# Altium PCB Archimajor.PcbDoc (part 10 of 13)
Units mil, origin at the board's own origin, x right, y up, seen from the top; angles counter-clockwise.
Board outline 7480.32 x 5511.81 mil, 6 copper layers (Top Layer, Top GND, Power Plane, Mid1, Bot GND, Bottom Layer), stack 69.913 mil thick; 1038 components, 682 nets, 3229 pads, 2870 vias.
Unrouted connection lines stored in the file: 97.
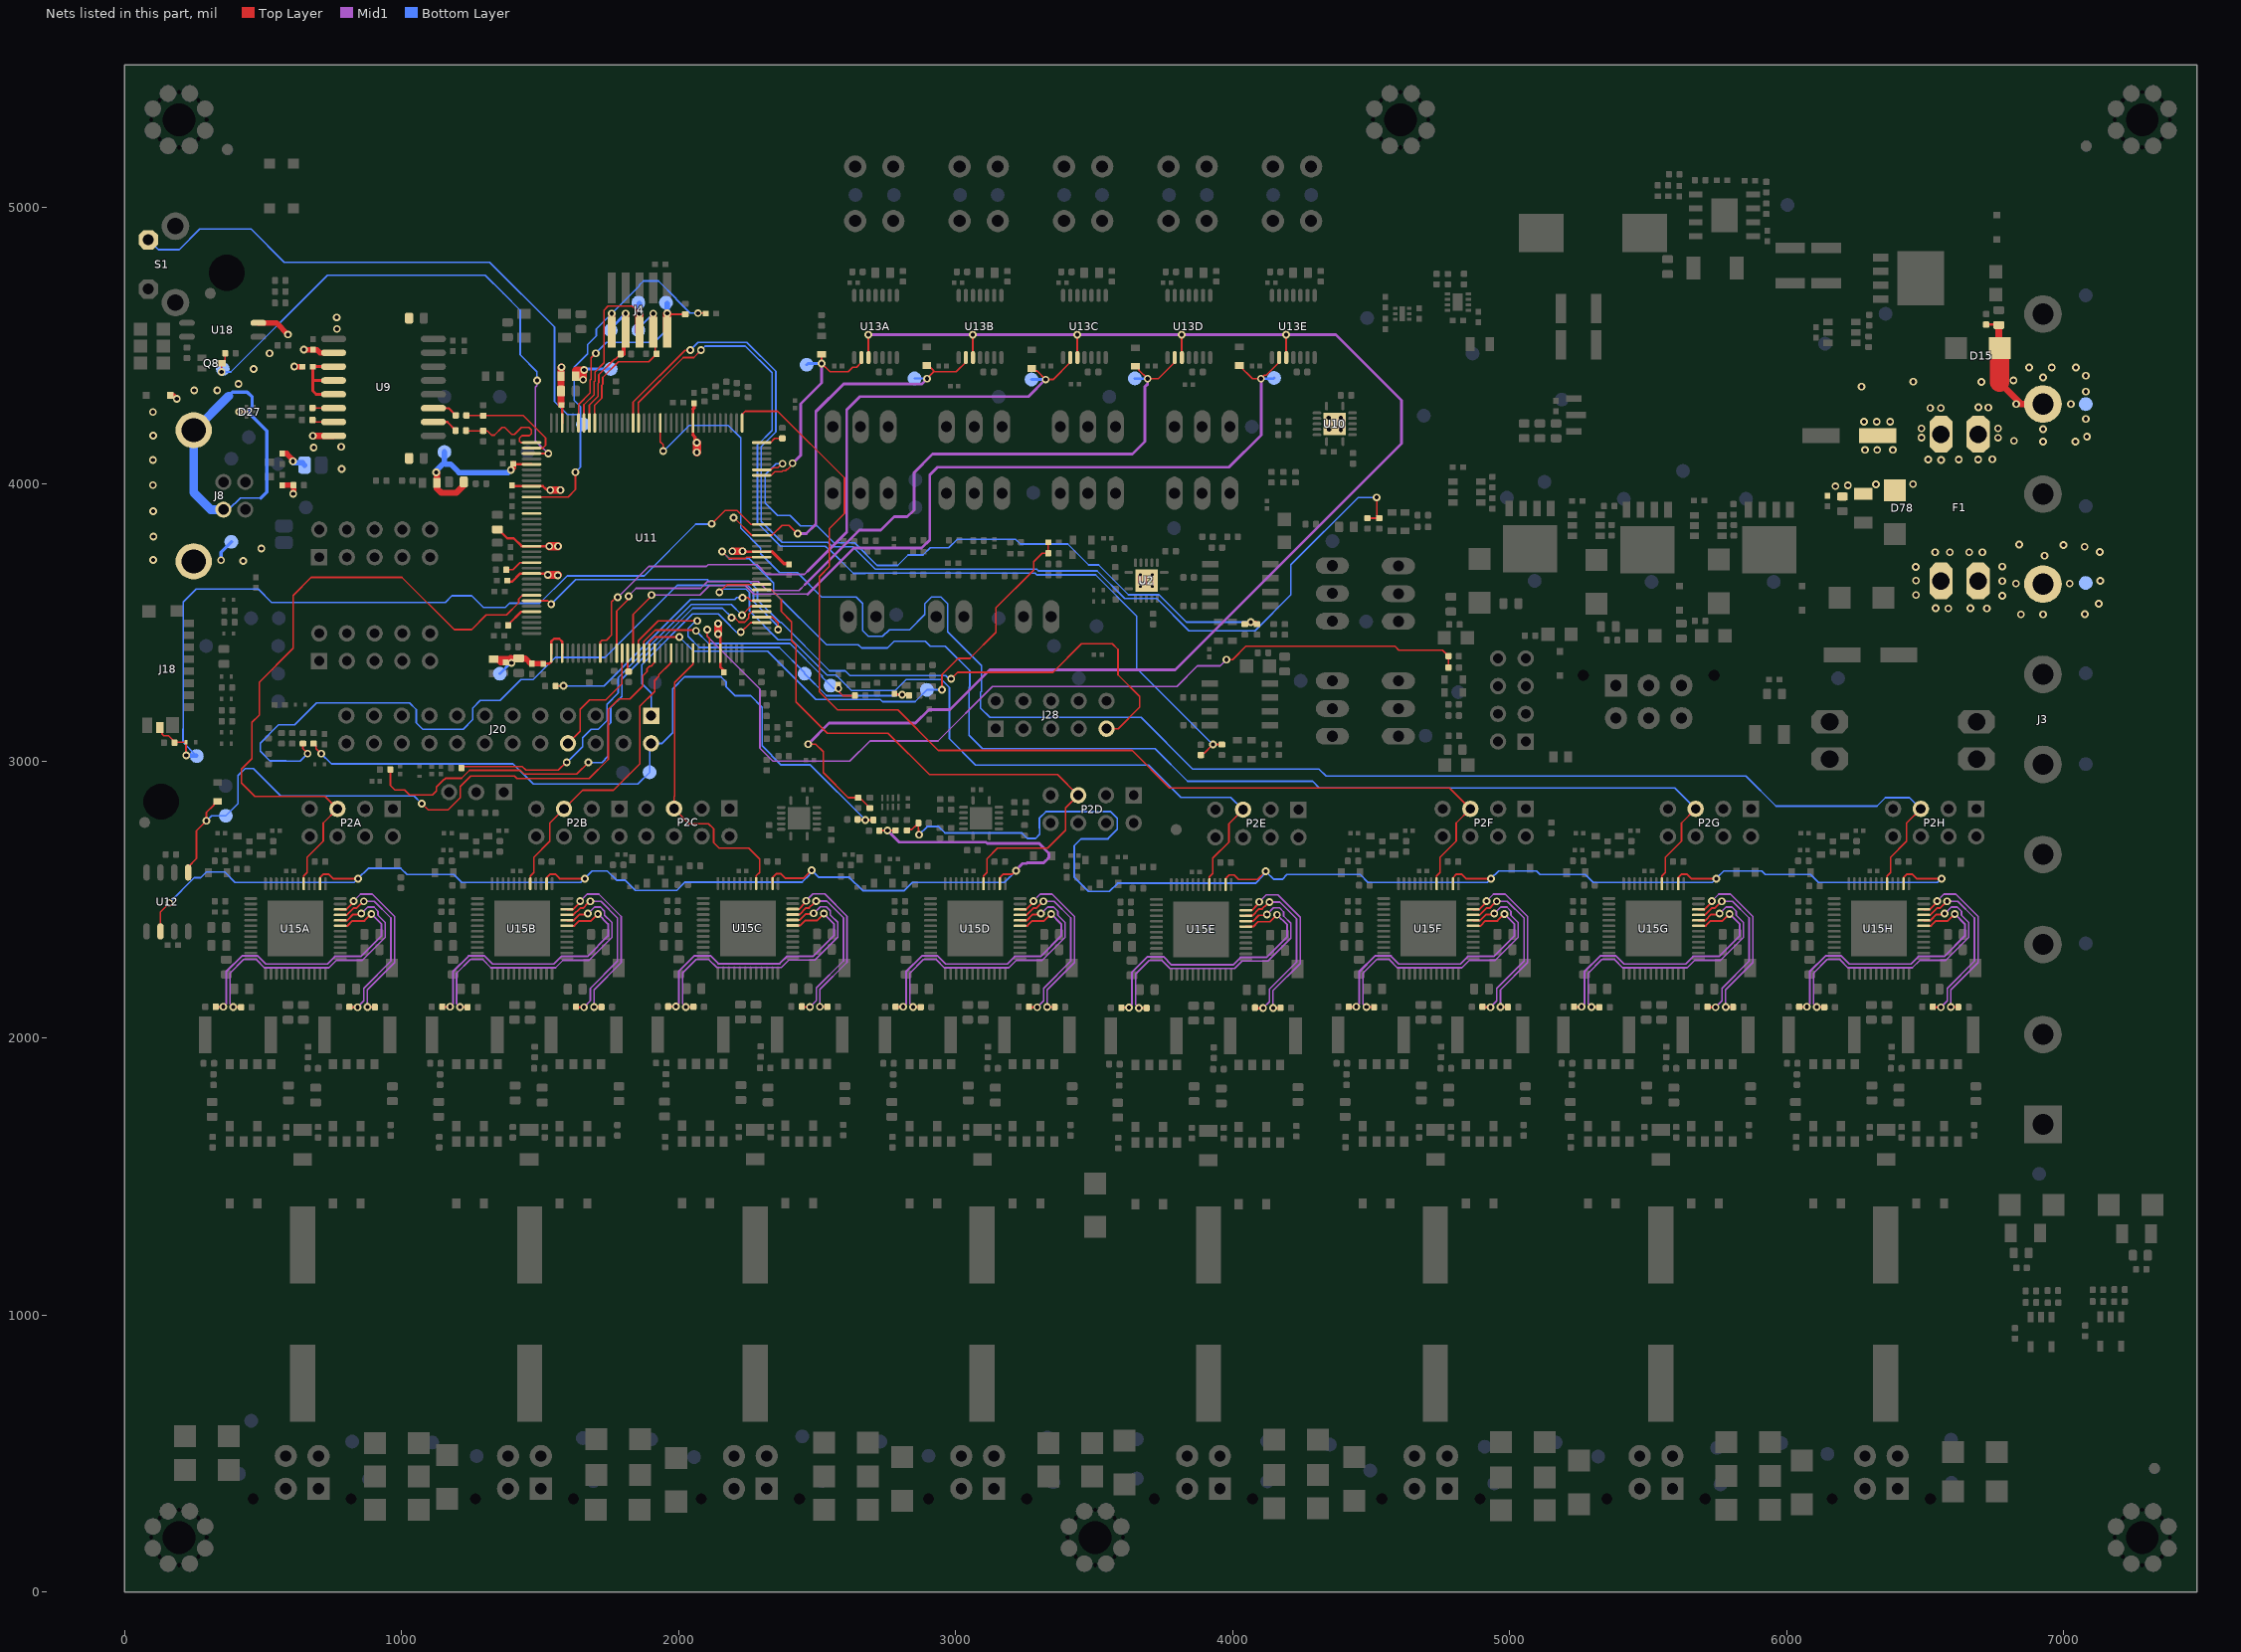
[diagram p14: the nets of this part, all layers, seen from the top]

## Via types
v1: diameter 28, hole 15, Top Layer to Bottom Layer, tented both sides, 2412 vias
v2: diameter 22, hole 10, Top Layer to Bottom Layer, 302 vias
v3: diameter 28, hole 15, Top Layer to Bottom Layer, 113 vias
v4: diameter 29, hole 15, Top Layer to Bottom Layer, tented both sides, 16 vias
v5: diameter 30, hole 15, Top Layer to Bottom Layer, 16 vias
v6: diameter 22, hole 10, Top Layer to Bottom Layer, tented both sides, 11 vias

## Nets (pads, with @x,y where several pads share a name; then routed paths per layer and width w, separated by ;. In a path a pad name is that pad's centre, name@x,y a point inside that pad or via, vN(x,y) a via of type N, cw(c..) or ccw(c..) an arc to the next point about the centre after c; other vN are vias at no path point) (continued)
PA27_SCLK: C102.2 J20.2 R4.1 R139.2 TP77.1 | length 2733
  Top Layer w6: R139.2@683,3062.53 692,3053.53 692,3044.53 v1(710,3026.53)
  Top Layer w6.5: C102.2@2646.37,2788.76 2647.36,2787.77 2673.93,2787.77 v1(2674.92,2786.79) R4.1@2703.46,2786.79
  Bottom Layer w6: v1(710,3026.53) 747.04,2989.49 1402.95,2989.49 1476.15,2916.29 1852.91,2916.29 TP77.1@1895.67,2959.06 1895.67,3058.2 J20.2@1901,3063.53
  Bottom Layer w6.5: J20.2@1901,3063.53 1940.83,3063.53 1979.05,3101.75 1979.05,3260.21 2022.62,3303.78 2153.49,3303.78 2171.6,3285.67 2171.6,3268.48 2205.09,3234.99 2242.74,3234.99 2243.18,3235.43 2259.92,3235.43 2301.88,3193.46 2301.88,3054.5 2370.78,2985.61 2476.1,2985.61 v1(2674.92,2786.79)
PA28_CS0: J20.1 U11.111 | length 751.5
  Top Layer w6: v3@2223.43,3462.6 v3@2224.96,3464.13 ; v3(2224.96,3464.73) v3@2224.96,3464.13 ; U11.111@2300.35,3499.51 2260.34,3499.51 v3@2224.96,3464.13
  Bottom Layer w6: J20.1@1901,3163.53 1901,3245.33 1867.02,3279.31 1867.02,3346.72 2050.83,3530.53 2143.96,3530.53 2166.93,3507.56 2166.93,3507.36 2209.56,3464.73 v3(2224.96,3464.73)
PA29_CS: R141.2 U11.112 | length 2692.5
  Top Layer w6: R141.2@644.33,3062.53 644.33,3044.19 661,3027.53 v1(661,3026.01) ; U11.112@2300.35,3519.2 2339.39,3519.2 2359.57,3499.02 v1(2359.57,3474.41)
  Bottom Layer w6: v1(661,3026.01) 634.52,2999.53 585.2,2999.53 584.33,3000.39 524.61,3000.39 490.16,3034.84 490.16,3064.37 556.1,3130.31 614.17,3130.31 692.91,3209.06 1029.53,3209.06 1053.15,3185.43 1053.15,3138.19 1076.77,3114.57 1222.44,3114.57 1256.89,3149.02 1256.89,3190.35 1284.45,3217.91 1355.31,3217.91 1431.1,3293.7 1475.39,3293.7 1555.12,3373.43 1734.25,3373.43 1995.08,3634.25 2249.33,3634.25 2270.3,3613.28 2270.3,3575.57 2359.57,3486.29 v1(2359.57,3474.41)
PB0_ETXCK: R153.1 U11.113 | length 1887.7
  Top Layer w6: R153.1@959.72,2968.95 959.72,2911.73 976.38,2895.08 1010.83,2895.08 1028.54,2877.36 1111.22,2877.36 1125.98,2892.13 1125.98,2898.11 1126.38,2898.5 1126.38,2906.3 1153.02,2932.95 1154.44,2932.95 1158.89,2937.4 1217,2937.4 1245.6,2966 1429.85,2966 1442.92,2952.93 1632.65,2952.93 v1(1674.21,2994.49) ; v1(2191.93,3517.72) 2202.15,3517.72 2218.57,3501.3 2239.28,3501.3 2253.92,3515.95 2253.92,3528.46 2264.16,3538.7 2300.17,3538.7 U11.113@2300.35,3538.88 U11.113@2300.5,3539.03
  Bottom Layer w6: v1(1674.21,2994.49) 1723.42,2994.49 1745.84,3016.91 1745.84,3128.17 1755.53,3137.85 1755.53,3192.11 1796.14,3232.72 1796.14,3295.64 2051.69,3551.18 2158.46,3551.18 v1(2191.93,3517.72)
PB1_ETXEN: R160.1 U11.114 | length 1454.6
  Top Layer w6: R160.1@1216.59,2980 1435.65,2980 1448.72,2966.93 1565.87,2966.93 1593.43,2994.49 v1(1596.46,2994.49) ; v1(2228.92,3526.3) 2261.19,3558.57 U11.114@2300.35,3558.57 U11.114@2301.42,3559.63
  Bottom Layer w6: v1(1596.46,2994.49) 1653.54,3051.57 1653.54,3084.06 1684.02,3114.53 1710.59,3114.53 1741.53,3145.46 1741.53,3204.52 1782.14,3245.13 1782.14,3301.44 2045.89,3565.18 2190.04,3565.18 v1(2228.92,3526.3)
PB2_ETX0: R161.2 U11.115 | length 881.9
  Top Layer w6: R161.2@1556.28,3270.13 1556.76,3270.61 1584.64,3270.61 v1(1585.12,3271.09) ; v1(2231.3,3589.57) 2249.86,3589.57 2261.17,3578.25 U11.115@2300.35,3578.25
  Bottom Layer w6: v1(1585.12,3271.09) 1586.14,3270.07 1730.97,3270.07 2043.47,3582.56 2203.63,3582.56 2210.63,3589.57 v1(2231.3,3589.57)
PB12_AD8: J20.8 U11.86 | length 440.2
  Top Layer w6: J20.8@1601,3063.53 1644.57,3107.09 1644.57,3140.87 1644.57,3185.59 1678.68,3219.71 1737.38,3219.71 1796.2,3278.52 U11.86@1796.2,3388.44
PB13_AD9: R159.2 U11.87 | length 66.7
  Top Layer w6: R159.2@1816.1,3322.59 U11.87@1816.1,3389.28
PB25_TIOA0: R144.1 U11.144 | length 80.8
  Top Layer w6: U11.144@2300.35,4149.12 2331.91,4149.12 2347.34,4164.54 R144.1@2374.72,4164.54
PB27_TIOB0: R140.1 U11.68 | length 107
  Top Layer w8: R140.1@1385.9,3488.53 1385.9,3492.64 1432.14,3538.88 U11.68@1469.65,3538.88
PC2_PWML0: R137.2 U11.59 | length 102.4
  Top Layer w6: R137.2@1378,3690.01 1402,3690.01 1428.04,3716.05 U11.59@1469.65,3716.05
PC8_PWML3: J28.9 U11.66 | length 2784
  Top Layer w6: U11.66@1469.65,3578.25 1528.05,3578.25 1540.18,3566.12 v1(1540.43,3566.12) ; v1(2984.4,3296.42) 3007.86,3319.88 3351.59,3319.88 3454.94,3423.23 3565.88,3423.23 3586.61,3402.5 3586.61,3311.02 3664.37,3233.27 3664.37,3193.9 3586.86,3116.39 J28.9@3544.76,3116.39
  Bottom Layer w6: v1(1540.43,3566.12) 1628.37,3654.06 2103.93,3654.06 2109.49,3648.5 2255.23,3648.5 2284.55,3619.18 2284.55,3581.47 2366.36,3499.66 2370.99,3499.66 2545.28,3325.37 2601.79,3325.37 2618.7,3308.46 2963.8,3308.46 2977.98,3294.29 2980.32,3294.29 2982.44,3296.42 v1(2984.4,3296.42)
RESET: C40.1 J4.10 S1.1 TP56.1 U11.47 | length 3424.8
  Top Layer w6: U11.47@1469.65,3952.27 1601.26,3952.27 1628,3979.01 v3(1628,4042.53) ; J4.10@1758.92,4547.9 J4.10@1759,4547.98 ; v1(2070.4,4616.52) 2096.97,4616.52 C40.1@2097.96,4615.53
  Top Layer w24: J4.10@1759,4547.98 v1(1759,4614.9)
  Bottom Layer w6: S1.1@86,4881.53 122,4845.53 198,4845.53 272.13,4919.66 457.4,4919.66 577.03,4800.03 1318.51,4800.03 1552.5,4566.04 1552.5,4296.97 1598.94,4250.53 1646,4250.53 ; v3(1628,4042.53) 1646,4060.53 1646,4215.01 1646,4250.53 ; v1(2070.4,4616.52) 2042.17,4616.52 1991,4667.69 1991,4669.29 1927.57,4732.72 1873.5,4732.72 1858.86,4718.08 1858.86,4714.76 v1(1759,4614.9) 1703.25,4559.15 1703.25,4534.2 1671.73,4502.69 1671.73,4469.54 1623.5,4421.31 1623.5,4301.51 1646,4279.02 1646,4250.53
SCLK_M1BUS: C104.2 R13.1 U12.6 U15A.14 U15B.14 U15C.14 U15D.14 | length 4869.1
  Top Layer w6: U12.6@130.02,2384.68 130.02,2454.8 162.25,2487.04 v1(162.25,2488.02)
  Top Layer w6.5: C104.2@2725.11,2748.4 2725.6,2748.89 2753.75,2748.89 v1(2754.25,2749.39) 2754.44,2749.19 R13.1@2783.18,2749.19
  Top Layer w6.55: U15A.14@706,2556.51 706,2576.1 706.69,2576.8 706.69,2579.12 718.98,2591.41 736.74,2591.41 752.95,2575.2 v1(843.5,2575.2) ; U15B.14@1523.91,2556.51 1523.91,2576.1 1524.61,2576.8 1524.61,2579.12 1536.89,2591.41 1554.65,2591.41 1570.87,2575.2 v1(1661.42,2575.2) ; U15C.14@2339.18,2557.47 2339.18,2577.06 2339.88,2577.76 2339.88,2580.08 2352.16,2592.37 2369.93,2592.37 2386.14,2576.16 2451.24,2576.16 v1(2480.77,2605.68) ; U15D.14@3159.74,2556.51 3159.74,2576.1 3160.43,2576.8 3160.43,2579.12 3172.72,2591.41 3204.6,2591.41 v1@3212.74,2599.54
  Mid1 w10.1: v1(2754.25,2749.39) 2796.82,2706.81 3109.41,2706.81 3113.93,2702.29 3301.73,2702.29 3337.32,2666.71 3337.32,2650.96 3325.51,2639.15 3325.19,2639.15 3317.88,2631.84 3257.85,2631.84 3255.87,2629.86 3242.39,2629.86 3215.92,2603.39 v1(3218.42,2603.39)
  Bottom Layer w6: v1(162.25,2488.02) 252.35,2578.13 275.29,2578.13 295.98,2598.82
  Bottom Layer w6.55: 295.98,2598.82 362.2,2598.82 399.61,2561.42 829.02,2561.42 v1@842.8,2575.2 ; v1(843.5,2575.2) v1@842.8,2575.2 ; v1(1661.42,2575.2) v1@1660.71,2575.2 ; v1(2480.77,2605.68) 2483.44,2605.68 2483.68,2605.44 v1@2483.68,2602.98 ; v1(3218.42,2603.39) 3218.31,2603.39 3176.35,2561.42 2844.17,2561.42 2814.64,2531.89 2664.37,2531.89 2616.5,2579.76 2506.89,2579.76 v1@2483.68,2602.98 ; v1@842.8,2575.2 879.86,2612.26 997.66,2612.26 1019.96,2589.96 1188.98,2589.96 1217.52,2561.42 1646.93,2561.42 v1@1660.71,2575.2 ; v1@1660.71,2575.2 1688.27,2602.76 1742.81,2602.76 1775.63,2569.93 1806.73,2569.93 1843.81,2532.85 1994.09,2532.85 2023.61,2562.38 2446.4,2562.38 2472.5,2588.48 2472.5,2591.13 2483.68,2602.3 v1@2483.68,2602.98
SCLK_M2BUS: C85.2 R32.1 U15E.14 U15F.14 U15G.14 U15H.14 | length 5258.6
  Top Layer w6.5: R32.1@2824.52,2749.19 2827.85,2752.51 2842.41,2752.51 2857.83,2767.93 2858.22,2767.93 C85.2@2865.86,2775.57 ; C85.2@2865.86,2775.96 C85.2@2865.86,2775.57 ; v1(2867.83,2733.64) 2866.48,2734.99 2866.48,2752.88 2865.86,2753.5 C85.2@2865.86,2775.57
  Top Layer w6.55: U15E.14@3975.01,2553.53 3975.01,2573.13 3975.7,2573.82 3975.7,2576.15 3987.99,2588.43 4005.75,2588.43 4021.96,2572.22 4089.97,2572.22 v1(4119.5,2601.75) ; U15F.14@4795.57,2556.51 4795.57,2576.1 4796.26,2576.8 4796.26,2579.12 4808.54,2591.41 4826.31,2591.41 4842.52,2575.2 v1(4933.07,2575.2) ; U15G.14@5608.57,2556.51 5608.57,2576.1 5609.26,2576.8 5609.26,2579.12 5621.54,2591.41 5639.31,2591.41 5655.52,2575.2 v1(5746.07,2575.2) ; U15H.14@6421.57,2556.51 6421.57,2576.1 6422.26,2576.8 6422.26,2579.12 6434.54,2591.41 6452.31,2591.41 6468.52,2575.2 v1(6559.07,2575.2)
  Bottom Layer w6.55: v1(2867.83,2733.64) 2897.36,2763.16 2938.85,2763.16 2962.12,2739.89 3239.61,2739.89 3259.34,2720.17 3288.7,2720.17 3303.51,2734.98 3303.51,2757.78 3302.22,2759.06 3302.22,2792.86 3326.13,2816.76 3559.93,2816.76 3583.83,2792.86 3583.83,2752.79 3549.92,2718.87 3453.46,2718.87 3427.87,2693.28 3427.87,2580.68 3479.64,2528.91 3555.37,2528.91 3584.9,2558.44 4082.22,2558.44 4108.33,2584.55 4108.33,2587.19 4119.5,2598.36 v1@4119.5,2601.51 ; v1(4119.5,2601.75) v1@4119.5,2601.51 ; v1(4933.07,2575.2) v1@4932.36,2575.2 ; v1(5746.07,2575.2) v1@5745.36,2575.2 ; v1(6559.07,2575.2) 6558.36,2575.2 6544.58,2561.42 6115.17,2561.42 6086.63,2589.96 5922.53,2589.96 5909.73,2602.76 5772.92,2602.76 v1@5745.36,2575.2 ; v1@4119.5,2601.51 4148.4,2572.61 4179,2572.61 4196.35,2589.96 4460.63,2589.96 4489.17,2561.42 4918.58,2561.42 v1@4932.36,2575.2 ; v1@4932.36,2575.2 4959.92,2602.76 5096.73,2602.76 5109.53,2589.96 5273.63,2589.96 5302.17,2561.42 5731.58,2561.42 v1@5745.36,2575.2
SCLK_TCBUS: C101.2 R3.1 U13A.10 U13B.10 U13C.10 U13D.10 U13E.10 | length 5544.3
  Top Layer w6.5: v1(2468.22,3060.41) 2495.01,3060.41 2522.64,3032.78 2522.64,2957.68 2613,2867.32 C101.2@2648.34,2867.32 2655.38,2860.28 2660.28,2860.28 2681.91,2838.65 2681.91,2838.27 2690.29,2829.9 R3.1@2690.66,2829.9 ; U13A.10@2685.62,4456.26 v1(2685.62,4538.76) ; U13B.10@3062.62,4456.26 v1(3062.62,4538.76) ; U13C.10@3439.62,4456.26 v1(3439.62,4538.76) ; U13D.10@3816.62,4456.26 v1(3816.62,4538.76) ; U13E.10@4193.62,4456.26 v1(4193.62,4538.76)
  Mid1 w10.1: v1(2468.22,3060.41) 2544.01,3136.2 2855.03,3136.2 2904.25,3185.41 2979.05,3185.41 3122.75,3329.11 3793.05,3329.11 4610.12,4146.18 4610.12,4301.5 4372.86,4538.76 v1(4193.62,4538.76) v1(3816.62,4538.76) v1(3439.62,4538.76) v1(2685.62,4538.76)
SDCD: D42.C J18.12 R64.1 TP13.1 U11.129 | length 3105.7
  Top Layer w6: J18.12@127.96,3121.12 136.1,3112.98 136.1,3096.7 142.37,3090.43 159.47,3090.43 R64.1@179.87,3070.03 ; R64.1@179.24,3070.03 R64.1@179.87,3070.03 ; R64.1@180.93,3070.03 R64.1@179.87,3070.03 ; R64.1@182.9,3068.06 D42.C@222.07,3068.06 222.07,3020.46 v1(223,3019.53) ; v1(2120,3856.01) 2167.9,3903.91 2211.33,3903.91 2261.4,3853.84 U11.129@2300.35,3853.84
  Bottom Layer w6: 211.5,3116.39 211.5,3067.03 259,3019.53 TP13.1@261,3017.53 ; 212.5,3116.39 212.5,3573.97 258.86,3620.32 483.27,3620.32 531.06,3572.53 1158,3572.53 1182,3596.53 1254,3596.53 1296,3554.53 1374.52,3554.53 1389.48,3569.49 1498.83,3569.49 1597.65,3668.31 1876.15,3668.31 2062.39,3854.54 2119.69,3854.54 2120,3854.85 v1(2120,3856.01)
  Bottom Layer w16: v1(223,3019.53) TP13.1@259,3019.53
SHDN: U11.50
SNTP: U10.15
  other v1: 4348.16,4195.32 4390.19,4195.23 4346.88,4238.53 4390.19,4238.53
SNTP1: U2.15
  other v2: 3667.28,3629.45 3710.58,3629.45 3667.28,3672.76 3710.58,3672.76
SPIFLASH_CS: D77.K TP74.1 U11.92 U12.1 | length 2540.3
  Top Layer w6: U12.1@230.02,2597.27 230.02,2617.48 260,2647.46 260,2747.85 v1(295.98,2783.83) 295.98,2814.35 323.59,2841.95 323.59,2845.89 332.4,2854.7 D77.K@336.33,2854.7 ; v1(1073.13,2846.03) 1096.2,2822.96 1168.14,2822.96 1212.57,2867.4 1212.57,2907.96 1250.11,2945.5 1407.37,2945.5 1416.34,2936.53 1677.16,2936.53 1746.47,3005.84 1746.47,3186.11 1784.4,3224.04 1824.67,3224.04 1871.06,3270.43 1871.06,3307.48 1886.53,3322.94 1886.53,3333.36 1896.01,3342.84 1901.43,3342.84 1910.75,3352.16 1910.75,3353.94 1914.53,3357.72 U11.92@1914.53,3389.28
  Bottom Layer w6: v1(295.98,2783.83) 314.19,2802.05 TP74.1@365.83,2802.05 409.96,2846.18 409.96,2946.96 435.69,2972.69 464.95,2972.69 564.29,2873.35 1045.81,2873.35 v1(1073.13,2846.03)
SRAHA: R168A.1 U15A.8 | length 1061.9
  Top Layer w7: v1(393.2,2111.24) R168A.1@420.76,2111.24 ; U15A.8@778.83,2424.62 804.13,2424.62 825.39,2445.88 846.11,2445.88 850.95,2442.78 851.58,2442.39 v1@855.15,2440.11
  Mid1 w6: v1(393.2,2111.24) 381,2123.44 381,2233.53 430,2282.53 476,2282.53 505,2253.53 738,2253.53 765,2280.53 859,2280.53 941.5,2363.03 941.5,2416.68 915.24,2442.94 915.24,2457.79 900.5,2472.53 878.51,2472.53 v1(854.82,2448.83)
SRAHB: R168B.1 U15B.8 | length 1061.9
  Top Layer w7: v1(1211.12,2111.24) R168B.1@1238.68,2111.24 ; U15B.8@1596.75,2424.62 1622.04,2424.62 1643.3,2445.88 1664.02,2445.88 1668.87,2442.78 1669.49,2442.39 v1@1673.06,2440.11
  Mid1 w6: v1(1211.12,2111.24) 1198.91,2123.44 1198.91,2233.53 1247.91,2282.53 1293.91,2282.53 1322.91,2253.53 1555.91,2253.53 1582.91,2280.53 1676.91,2280.53 1759.41,2363.03 1759.41,2416.68 1733.15,2442.94 1733.15,2457.79 1718.41,2472.53 1696.42,2472.53 v1(1672.73,2448.83)
SRAHC: R168C.1 U15C.8 | length 1061.9
  Top Layer w7: v1(2026.39,2112.2) R168C.1@2053.95,2112.2 ; U15C.8@2412.02,2425.58 2437.31,2425.58 2458.57,2446.84 2479.29,2446.84 2484.14,2443.74 2484.76,2443.35 v1@2488.33,2441.07
  Mid1 w6: v1(2026.39,2112.2) 2014.18,2124.4 2014.18,2234.49 2063.18,2283.49 2109.18,2283.49 2138.18,2254.49 2371.18,2254.49 2398.18,2281.49 2492.18,2281.49 2574.68,2363.99 2574.68,2417.64 2548.42,2443.9 2548.42,2458.75 2533.68,2473.49 2511.7,2473.49 v1(2488,2449.79)
SRAHD: R168D.1 U15D.8 | length 1061.9
  Top Layer w7: v1(2846.94,2111.24) R168D.1@2874.5,2111.24 ; U15D.8@3232.57,2424.62 3257.87,2424.62 3279.13,2445.88 3299.85,2445.88 3304.69,2442.78 3305.32,2442.39 v1@3308.89,2440.11
  Mid1 w6: v1(2846.94,2111.24) 2834.74,2123.44 2834.74,2233.53 2883.74,2282.53 2929.74,2282.53 2958.74,2253.53 3191.74,2253.53 3218.74,2280.53 3312.74,2280.53 3395.24,2363.03 3395.24,2416.68 3368.98,2442.94 3368.98,2457.79 3354.24,2472.53 3332.25,2472.53 v1(3308.56,2448.83)
SRAHE: R168E.1 U15E.8 | length 1061.9
  Top Layer w7: v1(3662.22,2108.26) R168E.1@3689.77,2108.26 ; U15E.8@4047.85,2421.64 4073.14,2421.64 4094.4,2442.9 4115.12,2442.9 4119.97,2439.81 4120.59,2439.41 v1@4124.16,2437.13
  Mid1 w6: v1(3662.22,2108.26) 3650.01,2120.46 3650.01,2230.55 3699.01,2279.55 3745.01,2279.55 3774.01,2250.55 4007.01,2250.55 4034.01,2277.55 4128.01,2277.55 4210.51,2360.05 4210.51,2413.7 4184.25,2439.97 4184.25,2454.81 4169.51,2469.55 4147.52,2469.55 v1(4123.83,2445.86)
SRAHF: R168F.1 U15F.8 | length 1061.9
  Top Layer w7: v1(4482.77,2111.24) R168F.1@4510.33,2111.24 ; U15F.8@4868.4,2424.62 4893.7,2424.62 4914.96,2445.88 4935.67,2445.88 4940.52,2442.78 4941.14,2442.39 v1@4944.72,2440.11
  Mid1 w6: v1(4482.77,2111.24) 4470.57,2123.44 4470.57,2233.53 4519.57,2282.53 4565.57,2282.53 4594.57,2253.53 4827.57,2253.53 4854.57,2280.53 4948.57,2280.53 5031.07,2363.03 5031.07,2416.68 5004.8,2442.94 5004.8,2457.79 4990.07,2472.53 4968.08,2472.53 v1(4944.39,2448.83)
SRAHG: R168G.1 U15G.8 | length 1061.9
  Top Layer w7: v1(5295.77,2111.24) R168G.1@5323.33,2111.24 ; U15G.8@5681.4,2424.62 5706.7,2424.62 5727.96,2445.88 5748.67,2445.88 5753.52,2442.78 5754.14,2442.39 v1@5757.72,2440.11
  Mid1 w6: v1(5295.77,2111.24) 5283.57,2123.44 5283.57,2233.53 5332.57,2282.53 5378.57,2282.53 5407.57,2253.53 5640.57,2253.53 5667.57,2280.53 5761.57,2280.53 5844.07,2363.03 5844.07,2416.68 5817.8,2442.94 5817.8,2457.79 5803.07,2472.53 5781.08,2472.53 v1(5757.39,2448.83)
SRAHH: R168H.1 U15H.8 | length 1061.9
  Top Layer w7: v1(6108.77,2111.24) R168H.1@6136.33,2111.24 ; U15H.8@6494.4,2424.62 6519.7,2424.62 6540.96,2445.88 6561.67,2445.88 6566.52,2442.78 6567.14,2442.39 v1@6570.72,2440.11
  Mid1 w6: v1(6108.77,2111.24) 6096.57,2123.44 6096.57,2233.53 6145.57,2282.53 6191.57,2282.53 6220.57,2253.53 6453.57,2253.53 6480.57,2280.53 6574.57,2280.53 6657.07,2363.03 6657.07,2416.68 6630.8,2442.94 6630.8,2457.79 6616.07,2472.53 6594.08,2472.53 v1(6570.39,2448.83)
SRALA: R170A.1 U15A.7 | length 1014.9
  Top Layer w7: R170A.1@334.35,2112.22 356.9,2112.22 v1(357.01,2112.33) ; U15A.7@778.83,2404.94 805.66,2404.94 823.23,2422.51 865.9,2422.51 882.38,2438.99 v1@893.2,2438.99
  Mid1 w7: v1(357.01,2112.33) 367.5,2122.82 367.5,2239.12 424.41,2296.03 481.59,2296.03 510.59,2267.03 732.41,2267.03 759.41,2294.03 853.41,2294.03 928,2368.62 928,2411.09 v1(891.24,2447.85)
SRALB: R170B.1 U15B.7 | length 1014.9
  Top Layer w7: R170B.1@1152.26,2112.22 1174.81,2112.22 v1(1174.92,2112.33) ; U15B.7@1596.75,2404.94 1623.57,2404.94 1641.15,2422.51 1683.81,2422.51 1700.29,2438.99 v1@1711.12,2438.99
  Mid1 w7: v1(1174.92,2112.33) 1185.41,2122.82 1185.41,2239.12 1242.32,2296.03 1299.5,2296.03 1328.5,2267.03 1550.32,2267.03 1577.32,2294.03 1671.32,2294.03 1745.91,2368.62 1745.91,2411.09 v1(1709.15,2447.85)
SRALC: R170C.1 U15C.7 | length 1014.9
  Top Layer w7: R170C.1@1967.53,2113.18 1990.08,2113.18 v1(1990.2,2113.29) ; U15C.7@2412.02,2405.9 2438.84,2405.9 2456.42,2423.47 2499.08,2423.47 2515.56,2439.95 v1@2526.39,2439.95
  Mid1 w7: v1(1990.2,2113.29) 2000.68,2123.78 2000.68,2240.08 2057.59,2296.99 2114.78,2296.99 2143.78,2267.99 2365.59,2267.99 2392.59,2294.99 2486.59,2294.99 2561.18,2369.58 2561.18,2412.05 v1(2524.42,2448.81)
SRALD: R170D.1 U15D.7 | length 1014.9
  Top Layer w7: R170D.1@2788.09,2112.22 2810.64,2112.22 v1(2810.75,2112.33) ; U15D.7@3232.57,2404.94 3259.4,2404.94 3276.97,2422.51 3319.64,2422.51 3336.12,2438.99 v1@3346.94,2438.99
  Mid1 w7: v1(2810.75,2112.33) 2821.24,2122.82 2821.24,2239.12 2878.15,2296.03 2935.33,2296.03 2964.33,2267.03 3186.15,2267.03 3213.15,2294.03 3307.15,2294.03 3381.74,2368.62 3381.74,2411.09 v1(3344.98,2447.85)
SRALE: R170E.1 U15E.7 | length 1014.9
  Top Layer w7: R170E.1@3603.36,2109.24 3625.91,2109.24 v1(3626.02,2109.36) ; U15E.7@4047.85,2401.96 4074.67,2401.96 4092.24,2419.53 4134.91,2419.53 4151.39,2436.02 v1@4162.22,2436.02
  Mid1 w7: v1(3626.02,2109.36) 3636.51,2119.85 3636.51,2236.14 3693.42,2293.05 3750.6,2293.05 3779.6,2264.05 4001.42,2264.05 4028.42,2291.05 4122.42,2291.05 4197.01,2365.64 4197.01,2408.11 v1(4160.25,2444.87)
SRALF: R170F.1 U15F.7 | length 1014.9
  Top Layer w7: R170F.1@4423.91,2112.22 4446.46,2112.22 v1(4446.58,2112.33) ; U15F.7@4868.4,2404.94 4895.22,2404.94 4912.8,2422.51 4955.46,2422.51 4971.94,2438.99 v1@4982.77,2438.99
  Mid1 w7: v1(4446.58,2112.33) 4457.07,2122.82 4457.07,2239.12 4513.97,2296.03 4571.16,2296.03 4600.16,2267.03 4821.97,2267.03 4848.97,2294.03 4942.97,2294.03 5017.57,2368.62 5017.57,2411.09 v1(4980.8,2447.85)
SRALG: R170G.1 U15G.7 | length 1014.9
  Top Layer w7: R170G.1@5236.91,2112.22 5259.46,2112.22 v1(5259.58,2112.33) ; U15G.7@5681.4,2404.94 5708.22,2404.94 5725.8,2422.51 5768.46,2422.51 5784.94,2438.99 v1@5795.77,2438.99
  Mid1 w7: v1(5259.58,2112.33) 5270.07,2122.82 5270.07,2239.12 5326.97,2296.03 5384.16,2296.03 5413.16,2267.03 5634.97,2267.03 5661.97,2294.03 5755.97,2294.03 5830.57,2368.62 5830.57,2411.09 v1(5793.8,2447.85)
SRALH: R170H.1 U15H.7 | length 1014.9
  Top Layer w7: R170H.1@6049.91,2112.22 6072.46,2112.22 v1(6072.58,2112.33) ; U15H.7@6494.4,2404.94 6521.22,2404.94 6538.8,2422.51 6581.46,2422.51 6597.94,2438.99 v1@6608.77,2438.99
  Mid1 w7: v1(6072.58,2112.33) 6083.07,2122.82 6083.07,2239.12 6139.97,2296.03 6197.16,2296.03 6226.16,2267.03 6447.97,2267.03 6474.97,2294.03 6568.97,2294.03 6643.57,2368.62 6643.57,2411.09 v1(6606.8,2447.85)
SRBHA: R116A.1 U15A.9 | length 627.9
  Top Layer w7: U15A.9@778.83,2444.31 802.61,2444.31 826.9,2468.61 837.82,2468.61 854.6,2485.38 v1@864.01,2485.38
  Top Layer w8: R116A.1@811.9,2112.53 813.9,2110.53 v1(841,2110.53)
  Mid1 w6: v1(841,2110.53) 841,2110.88 864,2133.88 864,2179.53 962,2277.53 962,2433 901.88,2493.13 v1(863.68,2493.13)
SRBHB: R116B.1 U15B.9 | length 627.9
  Top Layer w7: U15B.9@1596.75,2444.31 1620.52,2444.31 1644.82,2468.61 1655.74,2468.61 1672.51,2485.38 v1@1681.92,2485.38